# KiCad board Soldered Inkplate 6FLICK.kicad_pcb (continued)
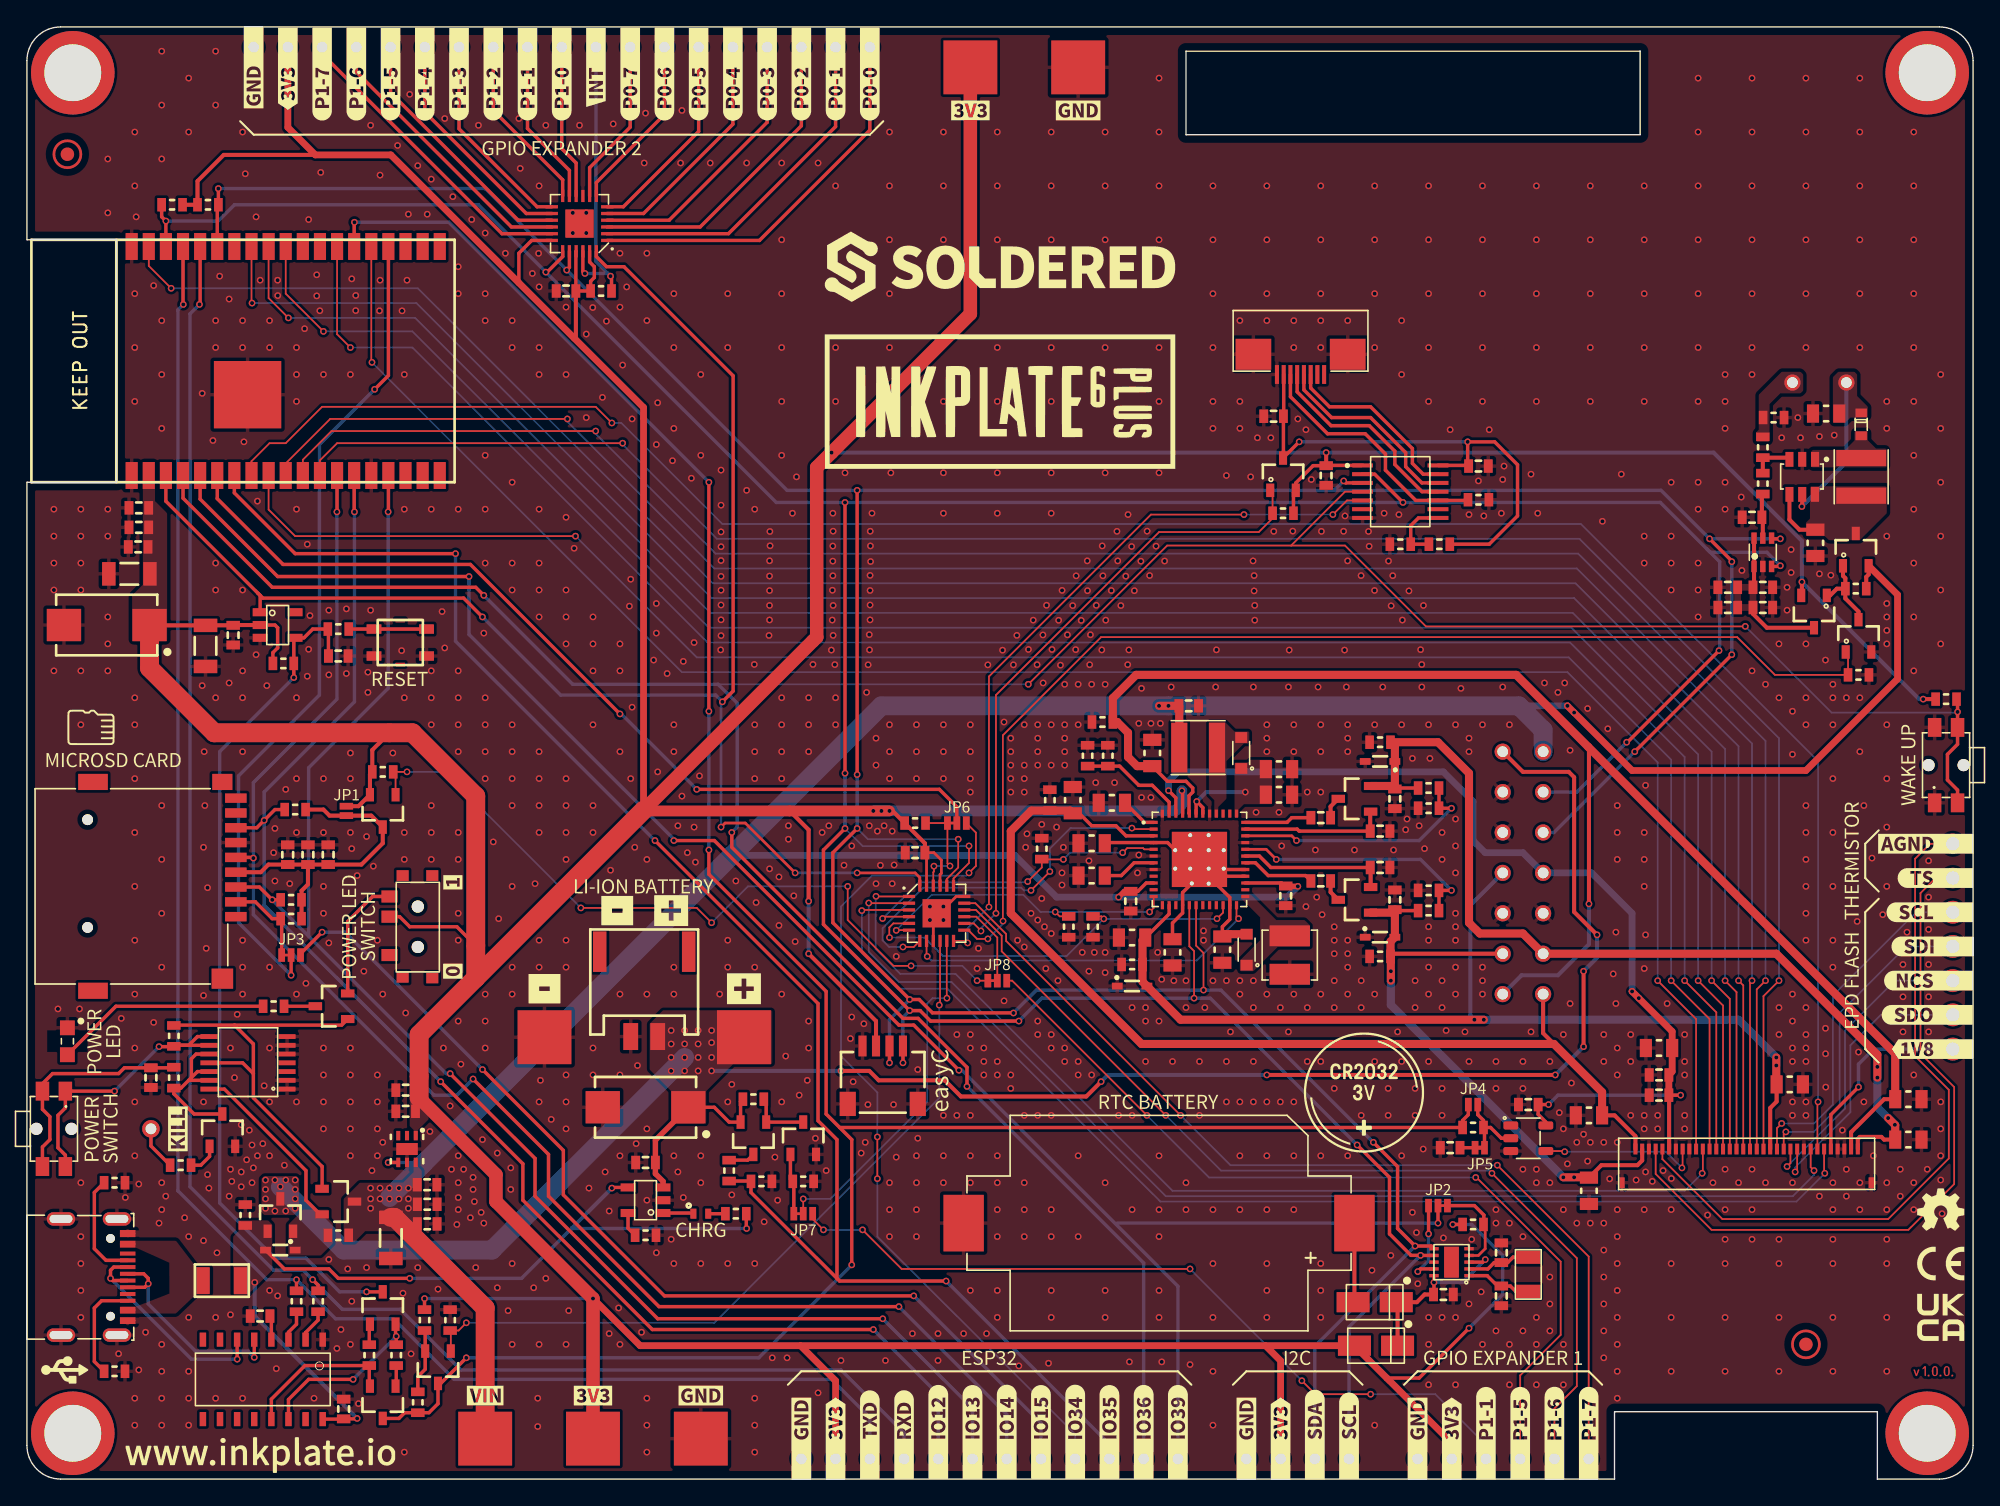
[diagram p0: board, top side]
## Routing (per net, layer and track width the routed paths; a pad name or vN(x,y) marks a point on that pad's centre or on a via; arc(x,y) is an arc through that point) (continued)
VBAT: length 145.4
  Top w0.254: R29.2 52.95,28.03 Q5.2 52.1,26.5 51,27.6 C24.1
  Top w0.3: v1(92,30) v1(113.4,30) ; v1(60.4,30.3) 62.5,30.3 63.2,29.6 68.1,29.6 69.3,28.4 78.6,28.4 v1(79.7,29.5) ; v1(115.5,37.7) v1(115.5,32.1) ; v1(116.5,40.4) 114.8,42.1 114.8,52.1 114.4,52.5 111,52.5 K1.8
  Top w0.4: C24.1 46.63,25.16 C25.2 46.63,22.67 47.2,22.1 U4.3
  Bottom w0.3: v1(92,30) 80.2,30 v1(79.7,29.5) ; v1(115.5,37.7) 116.5,38.7 v1(116.5,40.4) ; v1(113.4,30) v1(115.5,32.1) ; v1(50.8,30.3) v1(60.4,30.3)
  Bottom w1.4: v1(48.8,31.3) 34.5,17 23.5,17 v1(18.8,21.7)
  vias: v1(17.7,22.2) v1(17.7,21.5) v1(17.7,20.8) v1(17.7,20.1) v1(18.4,22.2) v1(18.4,19.9) v1(19.2,22.2) v1(19.2,19.9) v1(19.9,22.2) v1(19.9,21.5) v1(19.9,20.8) v1(19.9,20.1) v1(47.8,33.3) v1(47.8,32.3) v1(47.8,31.3) v1(47.8,30.3) v1(48.8,33.3) v1(48.8,32.3) v1(48.8,30.3) v1(49.8,33.3) v1(49.8,32.3) v1(49.8,31.3) v1(49.8,30.3) v1(50.8,33.3) v1(50.8,32.4) v1(50.8,31.3)
VDDH: length 71.5
  Top w0.254: C14.2 101.57,51.3 R13.2
  Top w0.3: C55.2 137.8,25.2 137.6,25.4 136,25.4 135.85,25.25 K14.34
  Top w0.6: v1(138.1,26.8) 138.62,26.28 C55.2 ; v1(137.3,29.8) 137.3,31.5 129.8,39 K1.2 111,40.5 107.8,40.5 107,41.3 107,52.4 104.7,54.7 R10.2 101.5,54.38 D2.2 C14.2 101.28,51.45 D7.2
  Bottom w0.6: v1(138.6,26.3) 137.3,27.6 v1(137.3,30.6)
VEE: length 46.1
  Top w0.254: C15.2 101.57,42.2 R15.2
  Top w0.3: K14.2 119.85,23.65 119.5,23.3 116.82,23.3 C52.2 115.88,22.4 ; K1.13 101.38,39 R12.2
  Top w0.6: D6.1 101.28,42.05 C15.2 D5.1 101.18,39.9 R12.2 101.2,38.78 v1(101.2,37) ; v1(114,22.4) 115.88,22.4
  Bottom w0.6: v1(114.8,22.4) v1(114,22.4) 101.2,35.2 v1(101.2,37) v1(101.2,37.7)
VIN: length 225.9
  Top w0.254: U6.4 26.81,23.5 v1(26.8,23.5) ; U1.10 83.05,44.25 82.43,43.63 C5.2 ; 93.3,44.03 93.08,44.25 U1.27
  Top w0.3: R54.2 136.47,66.97 136.65,67.15 Q14.2
  Top w0.4: v1(81,43.2) 81.43,43.63 C5.2 ; v1(94.3,44) 93.33,44 93.3,44.03
  Top w0.5: v1(114.3,57.4) 119.1,52.6 132,52.6 138.8,59.4 138.8,65.65 Q14.2
  Top w0.6: v1(84,57.4) C10.2 85.5,57.37 L2.1
  Top w1.4: PAD3.1 34,12.7 27.28,19.43 C27.2
  Bottom w0.254: 29.35,23.35 29.2,23.5 v1(26.8,23.5)
  Bottom w0.5: v1(114.8,56.9) v1(114.3,57.4) 110.7,57.4 ; v1(94.3,44) 93.5,43.2 v1(81,43.2) 76.4,43.2 73.3,46.3 52.3,46.3
  Bottom w1: 26.9,20.9 v1(26.9,20.8)
  Bottom w1.4: K1.7 112.5,55.6 110.7,57.4 v1(84.7,57.4) 63.4,57.4 26.9,20.9
  vias: v1(25.5,21.6) v1(25.5,20.8) v1(25.5,20.1) v1(26.2,21.6) v1(26.2,20.8) v1(26.9,21.6) v1(27.6,21.6) v1(27.6,20.8) v1(28.3,21.6) v1(28.3,20.8) v1(28.3,20.1)
VIN_BCK: length 4.1
  Top w0.3: C49.2 131.53,70.47 130.78,71.22 U10.4
/CTRL & COMS/CH_RXD: length 2.3
  Top w0.254: R23.1 20,11.5 19.41,10.91 U3.3
/CTRL & COMS/CH_TXD: length 2.5
  Top w0.254: R24.1 21.6,11.8 20.67,10.88 U3.2
/CTRL & COMS/DTR: length 11.3
  Top w0.254: Q3.2 25.4,6.95 R26.2 20.62,8.43 18.14,5.94 U3.13
/CTRL & COMS/RTS: length 12.9
  Top w0.254: v1(24.2,7.4) 20.9,7.4 19.41,5.91 U3.14 ; R27.2 v1(27.4,10.6) 27.35,10.65 Q2.2
  Bottom w0.254: v1(24.2,7.4) v1(27.4,10.6)
/E-paper/DAC_OUT: length 3.3
  Top w0.3: R52.2 128.73,73.06 C45.2 128.8,71.33 U9.5
/MCU & GPIO Expanders/GPB_6: length 72.4
  Top w0.127: v1(84.5,27) 72.33,39.17 72.33,40.34 70.41,42.25 U13.16 ; v1(108.7,22.7) 115,16.4 115,6.9 113.34,5.24 K21.1
  Bottom w0.127: v1(84.5,27) 88.6,22.9 108.5,22.9 v1(108.7,22.7)
/MCU & GPIO Expanders/GPB_7: length 72.5
  Top w0.127: v1(109.1,23.3) 115.88,16.52 K22.1 ; U13.17 70.37,42.75 72.65,40.47 72.65,39.95 v1(85.6,27)
  Bottom w0.127: v1(85.6,27) 89.3,23.3 v1(109.1,23.3)
/POWER/INT_LDO: length 4
  Top w0.254: U1.7 82.15,45.75 81.2,44.8 C4.2
/POWER/TS: length 8
  Top w0.254: R2.2 R3.2 81.07,52.92 82.5,51.5 83.5,51.5 84.75,50.25 U1.47
/POWER/VB: length 5.9
  Top w0.254: U1.42 87.25,49.85 v1(86.8,50.3) 86.75,50.25 U1.43
  Bottom w0.3: v1(90.4,51) 87.5,51 v1(86.8,50.3)
/POWER/VN: length 21.8
  Top w0.254: C3.2 80.03,47.25 U1.4 84.63,47.25 U1.49 ; U1.28 88.25,44.75 U1.49 ; U1.49 88.22,44.2 89.25,43.17 U1.23 89.25,41.55 88.7,41 88.7,40.28 ; 85,40.08 85,41.28 85.75,42.03 U1.16 85.75,43.54 U1.49 ; U1.49 88.87,45.25 U1.29
  Top w0.6: D1.2 88.88,40.45 88.7,40.28
/POWER/VREF: length 2.7
  Top w0.254: C1.2 82.93,48.75 U1.1
/SD_RTC_GPIO/CLKOUT_RTC: length 6.5
  Top w0.254: v1(103.2,15.4) 103.4,15.6 U7.9 ; v1(104,18.2) JP2.3
  Bottom w0.254: v1(103.2,15.4) 104,16.2 v1(104,18.2)
/SD_RTC_GPIO/X1: length 4.9
  Top w0.254: X1.1 110.47,13.93 110.07,14.33 C34.2 109.12,14.33 108.35,15.1 U7.1
/SD_RTC_GPIO/X2: length 4.8
  Top w0.254: U7.2 108.4,15.6 108.87,16.07 C35.2 109.87,16.07 110.28,16.47 X1.2
BCK_ANODE: length 11.5
  Top w0.3: U10.5 131.72,72.22 v1(131.7,72.2)
  Bottom w0.3: v1(131.7,72.2) 135,75.5 TP2.1
BCK_MOS: length 6.1
  Top w0.3: R54.1 134.93,66.88 134.75,67.05 Q14.1 ; R54.1 134.3,66.1 133.8,65.6 Q12.1 ; R54.1 134.93,65.38 135.9,64.4 Q13.3
D+: length 16
  Top w0.254: K2.A6 8.66,15.24 9,14.9 v1(9,14.5) 8.74,14.24 K2.B6 ; U3.5 v1(16.86,9.03)
  Bottom w0.254: v1(16.86,9.03) 16.4,9.5 12.5,9.5 9,13 v1(9,14.5)
D-: length 16.7
  Top w0.254: K2.A7 6.36,14.74 v1(6.2,14.9) 6.2,15.5 6.44,15.74 K2.B7 ; U3.6 15.59,8.91 v1(15.6,8.9)
  Bottom w0.254: v1(6.2,14.9) 12.2,8.9 v1(15.6,8.9)
EPD_CKV: length 158.7
  Top w0.127: v1(132.9,28) 132.85,27.95 K14.28 ; U14.8 16.66,75.56 18,76.9 19.2,76.9 21.9,79.6 42.2,79.6 v1(43.4,78.4)
  Bottom w0.127: v1(43.4,78.4) 44.1,78.4 51.6,70.9 115.3,70.9 132.9,53.3 v1(132.9,28)
EPD_CL: length 12
  Top w0.127: v1(114.1,24.3) 114.05,24.35 U12.4 ; v1(122.8,23.1) 122.85,23.15 K14.8
  Bottom w0.127: v1(122.8,23.1) 121.6,24.3 v1(114.1,24.3)
EPD_D0: length 149.6
  Top w0.127: K14.13 125.35,34.65 v1(123,37) ; U14.26 23.01,84.99 v1(24,84)
  Bottom w0.127: v1(123,37) 123,53.6 114.5,62.1 50.5,62.1 28.6,84 v1(24,84)
EPD_D1: length 152.5
  Top w0.127: K14.14 125.85,35.15 v1(124,37) ; U14.29 19.2,88 v1(22,85.2)
  Bottom w0.127: v1(124,37) 124,53.8 114.6,63.2 50.6,63.2 28.6,85.2 v1(22,85.2)
EPD_D2: length 154.9
  Top w0.127: U14.30 17.93,87.67 v1(19.4,86.2) ; v1(125,37) 126.35,35.65 K14.15
  Bottom w0.127: v1(19.4,86.2) 28.8,86.2 50.7,64.3 114.7,64.3 125,54 v1(125,37)
EPD_D3: length 157.3
  Top w0.127: v1(16.7,87.3) 16.66,87.34 U14.31 ; v1(126,37) 126.85,36.15 K14.16
  Bottom w0.127: v1(126,37) 126,54.2 114.8,65.4 50.8,65.4 28.9,87.3 v1(16.7,87.3)
EPD_D4: length 164.2
  Top w0.127: v1(127,37) 127.35,36.65 K14.17 ; U14.37 9.04,90.06 v1(10.7,88.4)
  Bottom w0.127: v1(127,37) 127,54.4 114.9,66.5 50.9,66.5 29,88.4 v1(10.7,88.4)
EPD_D5: length 151.3
  Top w0.127: U14.10 19.2,75.4 22.5,78.7 v1(40.1,78.7) ; K14.18 127.85,36.85 v1(128,37)
  Bottom w0.127: v1(40.1,78.7) 40.1,78.5 51,67.6 115,67.6 128,54.6 v1(128,37)
EPD_D6: length 150.8
  Top w0.127: v1(42.2,77.8) 22.6,77.8 20.47,75.67 U14.11 ; v1(129,37) 128.35,36.35 K14.19
  Bottom w0.127: v1(42.2,77.8) 42.2,77.6 51.1,68.7 115.1,68.7 129,54.8 v1(129,37)
EPD_D7: length 150
  Top w0.127: v1(44.2,76.9) 23.01,76.9 21.74,75.63 U14.12 ; K14.20 128.85,35.85 v1(130,37)
  Bottom w0.127: v1(44.2,76.9) 44.2,76.8 51.2,69.8 115.2,69.8 130,55 v1(130,37)
EPD_GMODE: length 87
  Top w0.127: v1(132.6,22.9) 132.35,23.15 K14.27 ; v1(62.46,42.76) 62.47,42.75 U13.2
  Bottom w0.127: v1(132.6,22.9) 132.6,22.57 131.03,21 84.5,21 68.6,36.9 64.7,36.9 62.46,39.14 v1(62.46,42.76)
EPD_LE: length 146.2
  Top w0.127: K14.10 123.85,34.15 v1(121,37) ; v1(25.6,82.9) 25.55,82.95 U14.24
  Bottom w0.127: v1(25.6,82.9) 48.6,59.9 114.3,59.9 121,53.2 v1(121,37)
EPD_OE: length 77.5
  Top w0.127: v1(63,43.26) 63.01,43.25 U13.1 ; K14.11 124.35,22.75 v1(124.3,22.7)
  Bottom w0.127: v1(124.3,22.7) 123,21.4 85,21.4 68.9,37.5 64.8,37.5 62.97,39.33 62.97,43.24 v1(63,43.26)
EPD_SPH: length 144.4
  Top w0.127: v1(122,37) 124.85,34.15 K14.12 ; U14.9 17.93,71.97 19.9,70 v1(40.7,70)
  Bottom w0.127: v1(122,37) 122,53.4 114.4,61 49.7,61 v1(40.7,70)
EPD_SPV: length 88.5
  Top w0.127: U13.3 62,42.25 v1(61.95,42.2) ; v1(133.4,22.7) 133.35,22.75 K14.29
  Bottom w0.127: v1(133.4,22.7) 131.3,20.6 84.1,20.6 68.3,36.4 64.6,36.4 61.95,39.05 v1(61.95,42.2)
GPB3: length 86.3
  Top w0.127: v1(72.42,41.42) 72.41,41.44 72.41,55.21 79.7,62.5 126.9,62.5 129.7,59.7 R53.2 135.12,61.22 Q13.1 ; v1(71.3,40.1) 70.5,40.1 69.85,40.75 U13.13
  Bottom w0.127: v1(72.42,41.42) 72.42,41.22 v1(71.3,40.1)
GPB4: length 47.6
  Top w0.127: v1(70.79,40.69) 70.79,40.71 70.25,41.25 U13.14 ; Q11.1 92.43,73.22 R46.2 92.43,71.33 91.4,70.3 84,70.3 71.9,58.2 v1(71.9,42)
  Bottom w0.127: v1(70.79,40.69) 70.79,40.89 v1(71.9,42)
GPIO15: length 75.4
  Top w0.254: v1(21.9,40.6) 20.3,39 JP3.3 ; v1(33.8,30.4) 39.8,24.4 39.8,21.1 47.3,13.6 v1(65.8,13.6)
  Bottom w0.254: v1(21.9,40.6) 23.6,40.6 v1(33.8,30.4) ; K38.1 75.24,4.16 v1(65.8,13.6)
GPIO_0: length 187.1
  Top w0.254: 60.3,26.1 R55.1 106.53,26.62 106.95,27.05 JP4.1 ; 60.3,26.1 59.3,27.1 59.3,36.2 50.6,44.9 v1(50.6,46.7) ; 60.3,26.1 61.2,25.2 v1(61.2,15.9) ; U14.25 24.28,93.28 v1(24.3,93.3) ; v1(50.6,74) v1(50.6,57) ; Q3.3 27.6,4.5 28.03,4.93 R21.1 29.83,4.93 30.5,5.6 Q1.3 30.7,7.1 v1(32.6,9)
  Bottom w0.254: v1(50.6,57) v1(50.6,46.7) ; v1(24.3,93.3) 31.3,93.3 v1(50.6,74) ; v1(61.2,15.9) 54.3,9 v1(32.6,9)
GPIO_0_MOSFET: length 56.7
  Top w0.127: v1(67.69,35.19) 67.75,35.24 U13.10 ; Q1.1 31.45,10.97 R19.2 32.03,11.03 v1(32.6,11.6)
  Bottom w0.127: v1(32.6,11.6) 51,11.6 67.7,28.3 67.7,35.18 v1(67.69,35.19)
GPIO_36: length 235.6
  Top w0.127: v1(127.5,63.3) 103.8,63.3 97.8,69.3 93.8,69.3 ; U8.4 97.8,73.3 93.8,69.3 ; 93.8,69.3 84.6,69.3 v1(74.3,59)
  Top w0.254: v1(52.3,48) 52.3,46.9 65,34.2 66.12,34.2 69.75,30.57 v1(69.75,29.15) ; U14.4 11.58,72.82 18.2,66.2 33.3,66.2 v1(33.9,65.6) ; SW3.2 143.25,51.15 142.5,51.9 142.5,53.8 143.25,54.55 SW3.2 v1(143.25,56.95) 143.25,57.83 R41.1
  Bottom w0.127: v1(143.25,56.95) 143.2,56.9 133.9,56.9 v1(127.5,63.3) ; 51.39,58.89 51.39,58.91 ; v1(74.3,59) 51.1,59
  Bottom w0.254: v1(52.3,48) 52.7,48.4 52.7,57.6 52.18,58.12 52.16,58.12 51.28,59 40.5,59 v1(33.9,65.6) ; K37.1 82.86,16.04 v1(69.75,29.15)
GPIO_39: length 139
  Top w0.254: v1(48,47.4) 51,47.4 64.7,33.7 65.8,33.7 v1(69.15,30.35) ; U14.5 12.85,72.75 18.6,67 v1(32.8,67) ; JP2.2 v1(104.7,19)
  Bottom w0.254: v1(32.8,67) 32.8,62.7 48,47.5 v1(48,47.4) ; K36.1 85.4,14.32 69.37,30.35 v1(69.15,30.35) ; v1(104.7,19) 80.9,19
I2C_SCL: length 300.8
  Top w0.127: v1(86.6,35.7) 86.6,39.2 86.25,39.55 U1.17 ; U13.19 68.75,44.59 69.9,45.74 v1(69.9,47)
  Top w0.254: v1(125.55,61.5) 118.75,54.7 v1(118.7,54.7) ; v1(73.6,34) 67.05,34 66.27,34.78 v1(65.5,34.78) 59.1,41.18 59.1,46.7 v1(60.7,48.3) ; v1(38.5,89.6) 38.6,89.6 39.75,90.75 U15.19 ; U9.3 130.05,67.75 v1(130.1,67.8) ; U14.36 v1(10.31,93.39) 9.99,93.7 R1.1 ; v1(65,30.9) K3.1 ; v1(60.7,52.4) v1(60.7,72.5) ; v1(102.1,72.5) 100,74.6 U8.2 ; U7.7 103.42,16.6 v1(103.41,16.61) 102.69,16.61 101.1,18.2 101.1,22.4 v1(98.7,24.8)
  Bottom w0.127: v1(69.9,47) 69.89,46.99 62.01,46.99 v1(60.7,48.3)
  Bottom w0.254: K6.1 98.1,11.3 v1(103.41,16.61) ; v1(10.31,93.39) 14.19,93.39 15.4,94.6 33.5,94.6 55.6,72.5 v1(60.7,72.5) 121.2,72.5 124.65,69.05 ; v1(65.5,34.78) 65,34.28 v1(65,30.9) ; 124.65,69.05 125.6,68.1 125.6,61.55 v1(125.55,61.5) ; 124.65,69.05 124.9,68.8 129.1,68.8 v1(130.1,67.8) ; v1(118.7,54.7) 115,51 K1.6 ; v1(98.7,24.8) 87.8,35.7 v1(86.6,35.7) 75.3,35.7 v1(73.6,34) ; v1(60.7,48.3) v1(60.7,52.4)
I2C_SCL_B: length 13.7
  Top w0.254: U8.13 103.6,74.6 102.8,75.4 102.8,76.5 99.7,79.6 96.65,79.6 95.25,81 K12.3
I2C_SDA: length 299.6
  Top w0.127: v1(87.3,36.3) 87.3,39.05 86.75,39.6 U1.18 ; U13.20 68.25,44.55 69.1,45.4 v1(69.1,47.5)
  Top w0.254: v1(61.6,52.3) v1(61.6,73.4) ; v1(61.6,48.3) 59.8,46.5 59.8,41.3 v1(65.5,35.6) 66.2,35.6 67.19,34.61 73.19,34.61 v1(73.2,34.6) ; v1(40.05,89.75) 40.25,89.95 U15.20 ; v1(64,30.9) K3.2 ; U14.33 14.12,94.52 14.2,94.6 14.2,95.8 v1(14.2,95.8) ; U9.4 129.5,69.8 v1(130.1,69.8) ; U7.6 104.2,17.3 v1(103,17.3) 101.7,18.6 101.7,23.2 v1(99.9,25) ; U8.3 97.85,73.95 v1(97.7,74.1) ; v1(124.85,69.8) 126.5,68.15 v1(126.5,68.1) ; v1(119.3,54) v1(126.5,61.2)
  Bottom w0.127: v1(61.6,48.3) 62.4,47.5 v1(69.1,47.5)
  Bottom w0.254: v1(99.9,25) 99.89,25 88.59,36.3 v1(87.3,36.3) 74.9,36.3 v1(73.2,34.6) ; v1(65.5,35.6) 64,34.1 v1(64,30.9) ; 97,73.4 121.25,73.4 v1(124.85,69.8) v1(130.1,69.8) ; 97,73.4 56.4,73.4 v1(40.05,89.75) 34,95.8 v1(14.2,95.8) ; 97,73.4 v1(97.7,74.1) ; v1(103,17.3) 95.56,9.86 K7.1 ; v1(126.5,68.1) v1(126.5,61.2) ; v1(119.3,54) 113.3,48 K1.5 ; v1(61.6,48.3) v1(61.6,52.3)
I2C_SDA_B: length 14.6
  Top w0.254: K12.4 94.75,80.86 96.81,78.8 99.7,78.8 102.3,76.2 102.3,75.16 103.51,73.95 U8.12
INT: length 28.4
  Top w0.127: v1(74.5,43.7) v1(75.9,45.1) ; v1(81.99,48.33) 82.06,48.25 U1.2 ; U13.7 65.8,39.5 v1(65,39.5)
  Bottom w0.127: v1(65,39.5) 63.97,39.5 63.49,39.99 63.49,40.89 66.5,43.9 73.77,43.9 73.97,43.7 v1(74.5,43.7) ; v1(75.9,45.1) 75.9,46.8 77.43,48.33 v1(81.99,48.33)
INTB: length 7.6
  Top w0.127: R56.2 JP6.1 68.3,45.7 v1(68.49,45.51) ; U13.22 67.25,45.05 67.3,45.1 v1(67.3,45.5)
  Bottom w0.127: v1(68.49,45.51) 67.31,45.51 v1(67.3,45.5)
IO34: length 67.3
  Top w0.254: v1(49.7,51.2) 67.7,51.2 69,49.9 JP6.2 ; U14.6 14.12,72.78 19,67.9 32.9,67.9 v1(44,56.8)
  Bottom w0.254: v1(49.7,51.2) 44.1,56.8 v1(44,56.8)
MANUAL_RST: length 63.8
  Top w0.254: C26.2 22.37,63.06 R33.2 21.2,63.1 20.55,62.45 U2.4 19.8,62.35 R22.1 v1(19.8,59.5) ; Q2.3 v1(25.2,13.9)
  Bottom w0.254: v1(25.2,13.9) 23.2,13.9 20.7,16.4 18.4,16.4 14.3,20.5 14.3,54 v1(19.8,59.5)
PWR_GOOD: length 26.7
  Top w0.127: U13.8 66.75,38.85 v1(66.8,38.8) ; v1(89.9,41.6) 89.75,41.75 U1.24
  Bottom w0.127: v1(89.9,41.6) 86.8,38.5 67.1,38.5 v1(66.8,38.8)
PWRUP: length 30.4
  Top w0.127: v1(88.3,41.6) 88.75,42.05 U1.22 ; v1(64,40.2) 63.99,40.21 63.99,40.95 64.29,41.25 U13.5 ; v1(79.9,41.59) 79.71,41.78 R7.1
  Bottom w0.127: v1(88.3,41.6) 88.29,41.59 v1(79.9,41.59) 77.14,38.83 67.97,38.83 66.6,40.2 v1(64,40.2)
RST: length 116.1
  Top w0.2: U13.24 66.25,44.65 65.9,45 v1(61.6,45) ; v1(51.5,48.4) 51.8,48.7 53.3,48.7 v1(57,45)
  Top w0.254: U14.3 10.31,72.59 17.15,65.75 ; 17.15,65.75 17.5,65.4 32.4,65.4 v1(33.8,64) ; 17.15,65.75 17.3,65.6 U2.1 ; v1(51.6,57.7) 52.4,58.5 52.4,81.9 44.3,90 43,90 42.25,90.75 U15.24
  Bottom w0.2: 51.5,57.6 v1(51.5,48.4) ; v1(57,45) v1(61.6,45)
  Bottom w0.254: v1(33.8,64) 39.6,58.2 51.1,58.2 v1(51.6,57.7) 51.5,57.6
RXD: length 133.6
  Top w0.254: U14.34 12.85,87.25 v1(12.8,87.2) ; R24.2 21.6,14.4 v1(21.2,14.8)
  Bottom w0.254: K20.1 65.08,3.42 60.4,8.1 32.2,8.1 27.7,12.6 23.4,12.6 v1(21.2,14.8) 20.5,15.5 18.3,15.5 12.1,21.7 12.1,86.5 v1(12.8,87.2)
SD_ENABLE: length 56
  Top w0.127: v1(41.1,42.4) 49.7,42.4 v1(50.8,41.3) ; Q10.1 27.35,52.33 R40.2 v1(28.2,52.5) ; v1(70.5,37) JP8.1 ; v1(65.6,38.1) 64.3,38.1 60.9,41.5 v1(60.9,44)
  Bottom w0.127: v1(70.5,37) 69.4,38.1 v1(65.6,38.1) ; v1(28.2,52.5) 31,52.5 v1(41.1,42.4) ; v1(60.9,44) 53.5,44 v1(50.8,41.3)
SPI_CS: length 61.8
  Top w0.254: v1(25.8,80.9) 26.82,81.92 U14.23 ; JP3.2 v1(19.6,37.4)
  Bottom w0.254: v1(19.6,37.4) 15.7,41.3 15.7,52.2 21.7,58.2 21.7,76.8 v1(25.8,80.9)
SPI_MISO: length 110.3
  Top w0.254: U14.14 24.28,71.82 v1(24.3,71.8) ; v1(30.7,29.5) 36.8,23.4 36.8,20.7 46.4,11.1 v1(62.8,11.1) ; R45.1 18.4,49.7 17.05,48.35 K10.7
  Bottom w0.254: v1(30.7,29.5) 17.6,42.6 v1(17.6,48.9) 17.6,51 24.3,57.7 v1(24.3,71.8) ; K26.1 67.62,6.28 v1(62.8,11.1)
SPI_MOSI: length 113.4
  Top w0.254: v1(26.8,71.8) 26.82,71.82 U14.16 ; R44.1 v1(18.2,43) 17.25,43.95 K10.3 ; v1(31.4,30.1) 37.7,23.8 37.7,21 46.8,11.9 v1(63.5,11.9)
  Bottom w0.254: v1(31.4,30.1) 31.1,30.1 v1(18.2,43) ; 20.9,40.3 20.9,52.8 26.8,58.7 v1(26.8,71.8) ; K27.1 70.16,5.24 v1(63.5,11.9)
SPI_SCK: length 113.9
  Top w0.254: U14.13 23.01,71.81 v1(23,71.8) ; v1(16.8,46.1) 16.75,46.15 K10.5 ; v1(33.1,29.7) 38.7,24.1 38.7,21 46.9,12.8 v1(64.7,12.8)
  Bottom w0.254: v1(64.7,12.8) 72.7,4.8 K25.1 ; v1(23,71.8) 23,57.9 16.8,51.7 v1(16.8,46.1) 16.8,41.9 30.2,28.5 31.9,28.5 v1(33.1,29.7)
SW_IN: length 13.5
  Top w0.254: U5.14 14.65,28.95 20.7,22.9 20.7,20.7 21.75,19.65 Q9.2
SW_OUT_D: length 31.6
  Top w0.254: 16.8,30.1 16,30.9 U5.11 ; 16.8,30.1 16.8,28.3 21.9,23.2 Q9.1 ; 16.8,30.1 16.8,32.3 15.4,33.7 ; 15.4,33.7 23.35,33.7 Q6.1 ; 15.4,33.7 10.92,33.7 R38.2
TOUCH_INT_B: length 15.4
  Top w0.254: U8.11 103.52,73.3 101.5,75.32 101.5,76.3 99.6,78.2 96.76,78.2 94.25,80.71 K12.5
TOUCH_RESET: length 54.7
  Top w0.127: v1(96.9,71.6) 97.95,72.65 U8.5 ; v1(90.3,71.6) 83.4,71.6 71.38,59.58 v1(71.38,42.47) ; v1(69.8,39.8) 69.65,39.95 U13.12
  Bottom w0.127: v1(71.38,42.47) 69.8,40.89 v1(69.8,39.8) ; v1(90.3,71.6) v1(96.9,71.6)
TOUCH_RESET_B: length 18.7
  Top w0.254: R49.1 106.88,72.65 U8.10 103.05,72.65 100.8,74.9 100.8,76.1 99.3,77.6 96.5,77.6 93.75,80.35 K12.6
TS: length 52.6
  Top w0.127: K14.4 120.85,22.65 125,18.5 139.6,18.5 143,21.9 143,29.1 140.5,31.6 140.5,43.5 141.62,44.62 K52.2
TXD: length 132.5
  Top w0.254: v1(11.6,87.2) 11.58,87.22 U14.35 ; R23.2 v1(20,14.8)
  Bottom w0.254: K19.1 62.54,4.56 59.7,7.4 31.7,7.4 27.2,11.9 22.9,11.9 v1(20,14.8) 17.8,14.8 11.2,21.4 11.2,86.8 v1(11.6,87.2)
V_BAT: length 123
  Top w0.254: v1(31.8,68.7) 19.9,68.7 15.39,73.21 U14.7 ; 60.15,14.85 53.72,21.28 R31.2 53.7,22.12 R30.1 ; 60.15,14.85 60.3,14.7 v1(68.2,14.7) ; 60.15,14.85 60.1,14.9 60.1,25.2 58.7,26.6 58.7,35.3 v1(46.6,47.4)
  Bottom w0.254: v1(31.8,68.7) 31.8,62.2 v1(46.6,47.4) ; v1(68.2,14.7) 80.32,2.58 K18.1
V_BAT_MOS: length 4.5
  Top w0.254: Q4.1 56.65,22.28 R25.2 56.9,22.03 JP7.1
VCOM: length 76.2
  Top w0.254: U1.14 84.75,41.95 83,40.2 C6.2
  Top w0.3: K14.21 129.35,27.55 129.82,28.03 129.82,29.3
  Top w0.6: 129.82,29.3 129.8,29.32 v1(129.8,31.3) ; C6.2 82.78,40 R11.2 82.78,36.92 D4.1 85.6,34.1 v1(108.1,34.1)
  Bottom w0.3: v1(107.4,34.1) 107.1,34.4 107.1,42.6 K1.11
  Bottom w0.6: v1(107.4,34.1) 127,34.1 v1(129.8,31.3) v1(129.8,30.7)
VCOM_CTRL: length 23.8
  Top w0.127: R6.1 76.62,41.78 v1(76.3,42.1) ; v1(83.3,42.1) 83.6,42.4 U1.12 ; v1(64.5,40.74) 64.51,40.75 U13.6
  Bottom w0.127: v1(83.3,42.1) v1(76.3,42.1) 75.2,42.1 73.93,43.37 67.14,43.37 v1(64.5,40.74)
VNEG: length 77.3
  Top w0.254: 77.6,49.42 78.07,49.42 79,48.5 80.8,48.5 81.55,47.75 U1.3
  Top w0.3: K1.1 112.5,33.1 113.3,32.3 ; K14.1 119.35,25.45 117.8,27 C51.2
  Top w0.6: 77.6,49.42 77.4,49.62 R8.1 74.53,49.62 73,48.1 73,42 82.7,32.3 113.3,32.3 116.88,28.72 C51.2
VPOS: length 114.7
  Top w0.254: 83.5,52.92 84.62,51.8 86,51.8 86.5,51.3 86.5,51 86.22,50.72 86.22,49.43 U1.44
  Top w0.3: C54.2 137.8,28.2 135.35,25.75 K14.33 ; v1(115.9,42.7) 115.9,54.3
  Top w0.6: 83.5,52.92 82.38,52.92 81.7,53.6 81.7,55.4 80.9,56.2 R9.1 80.57,57.97 82.3,59.7 110.5,59.7 138.62,31.57 C54.2
  Bottom w0.3: K1.14 110.9,37.4 113.6,37.4 115.9,39.7 v1(115.9,42.7)
VUSB: length 60.5
  Top w0.254: v1(28.4,14.9) 23.1,14.9 22.4,15.6 19.1,15.6 D10.1 ; U3.16 23.48,4.45 C20.2 24.47,4.47 v1(24.5,4.5) ; v1(53.4,18.6) 53.38,18.62 R28.1 ; v1(43.4,21.6) 43.45,21.65 U4.4
  Bottom w0.254: v1(53.4,18.6) 40.5,18.6 40.45,18.65 36.7,14.9 v1(28.4,14.9)
  Bottom w0.3: v1(16.9,14.6) 16.9,12.1 v1(24.5,4.5) ; 40.45,18.65 v1(43.4,21.6)
WAKEUP: length 24.7
  Top w0.127: v1(63.49,41.61) 63.62,41.75 U13.4 ; v1(74.26,44.36) 75.3,45.4 R5.1 75.33,46 v1(76.9,46) ; U1.5 82.9,46.75 82.81,46.84 81.64,46.84 v1(81.3,46.5)
  Bottom w0.127: v1(74.26,44.36) 74.2,44.3 66.17,44.3 v1(63.49,41.61) ; v1(81.3,46.5) 77.4,46.5 v1(76.9,46)
Net-(C16-Pad1): length 1.6
  Top w0.3: D6.3 96.73,43.57 C16.1
Net-(C17-Pad2): length 1.6
  Top w0.3: D7.3 96.73,49.93 C17.2
Net-(C22-Pad2): length 1.8
  Top w0.254: C22.2 18.14,12 U3.4
Net-(C32-Pad2): length 16.9
  Top w0.254: 10.9,30.57 10.85,30.53 C32.2 7.23,30.53 6.8,30.1 1.9,30.1 1.15,29.35 SW2.2 1.15,27.45 1.7,26.9 1.7,25.2 1.15,24.65 SW2.2
Net-(C42-Pad1): length 9.1
  Top w0.3: C46.2 128.15,66.28 U9.1 U9.6 ; Q12.3 129.1,63.2 128.07,64.23 C43.1
Net-(C56-Pad2): length 1.1
  Top w0.254: JP5.1 C56.2
Net-(D8-Pad1): length 1.3
  Top w0.254: D8.1 R28.2
Net-(D8-Pad2): length 2.3
  Top w0.254: D8.2 49.4,19.75 U4.1
Net-(D9-Pad1): length 16
  Top w0.254: R35.2 6.6,35.1 D9.1
Net-(D12-Pad1): length 5.9
  Top w0.3: K11.+ 98.5,13.23 D12.1
Net-(JP2-Pad1): length 6.9
  Top w0.2: 108.1,19 108.2,18.9 108.2,17.1 107.7,16.6 U7.4
  Top w0.254: JP2.1 107.4,20.3 108.1,19.6 108.1,19
Net-(JP3-Pad1): length 6.6
  Top w0.254: JP3.1 18.9,41.53 R43.1 18.2,41.6 16.95,42.85 K10.2
Net-(JP4-Pad2): length 5.8
  Top w0.254: U12.2 109.4,25.3 108.6,26.1 R55.2 ; R55.2 108.15,26.03 JP5.2 ; R55.2 108.07,26.62 107.65,27.05 JP4.2
Net-(JP6-Pad3): length 62.9
  Top w0.127: v1(69.9,45) 70.41,45.51 70.41,47.99 JP6.3 ; v1(63.1,22.3) v1(63.1,25.4)
  Bottom w0.127: v1(63.1,22.3) 63.1,18 77.78,3.32 K15.1 ; v1(69.9,45) 69.7,44.8 62.7,44.8 60.4,42.5 60.4,31.4 63.1,28.7 v1(63.1,25.4)
Net-(JP7-Pad2): length 26.5
  Top w0.127: U13.11 68.25,35.71 v1(68.26,35.7) ; v1(57.6,20.8) JP7.2
  Bottom w0.127: v1(68.26,35.7) 67.2,35.7 66.8,35.3 66.8,28 59.6,20.8 v1(57.6,20.8)
Net-(JP7-Pad3): length 58.3
  Top w0.127: v1(94.6,7.3) 95.6,6.3 v1(99.7,6.3) ; v1(86.3,15.6) 64.9,15.6 v1(62,18.5) ; JP7.3 58.3,19.3 v1(59.1,18.5)
  Bottom w0.127: K23.1 108.26,2.54 104.5,6.3 v1(99.7,6.3) ; v1(94.6,7.3) v1(86.3,15.6) ; v1(62,18.5) v1(59.1,18.5)
Net-(JP8-Pad2): length 6.3
  Top w0.127: U13.15 70.45,41.75 72,40.2 JP8.2
Net-(JP8-Pad3): length 65.6
  Top w0.127: v1(83.1,27) 73.1,37 JP8.3 ; v1(107.5,22.39) 107.56,22.39 113.8,16.14 113.8,10.7 110.8,7.7 K24.1
  Bottom w0.127: v1(83.1,27) 87.71,22.39 v1(107.5,22.39)
Net-(K2-PadA5): length 8
  Top w0.254: R18.1 5,21.28 5,17.1 5.86,16.24 K2.A5
Net-(K2-PadB5): length 7.7
  Top w0.254: K2.B5 5.54,13.24 5,12.7 5,8.72 R17.1
Net-(K9-Pad1): length 3.3
  Top w0.254: K9.1 9.2,24.72 R37.2
Net-(K13-Pad1): length 14.6
  Top w0.254: v1(135.9,29.1) 133.85,27.05 K14.30
  Bottom w0.254: v1(135.9,29.1) 135.9,30.8 137.02,31.92 K13.1
Net-(K13-Pad2): length 21.4
  Top w0.127: K14.25 131.35,22.95 v1(131.2,22.8)
  Bottom w0.127: v1(131.2,22.8) 131.2,23.14 135.3,27.24 135.3,32.2 137.56,34.46 K13.2
Net-(K13-Pad3): length 22.8
  Top w0.127: v1(130.6,23.2) 130.85,23.45 K14.24
  Bottom w0.127: K13.3 138.6,37 134.9,33.3 134.9,27.5 v1(130.6,23.2)
Net-(K13-Pad4): length 23.5
  Top w0.127: v1(130.51,25.77) 130.35,25.61 K14.23
  Bottom w0.127: v1(130.51,25.77) 132.57,25.77 134.5,27.7 134.5,34.6 139.44,39.54 K13.4
Net-(K13-Pad5): length 26
  Top w0.127: v1(130.2,26.4) 129.85,26.05 K14.22
  Bottom w0.127: v1(130.2,26.4) 132.6,26.4 134,27.8 134,35.9 140.18,42.08 K13.5
Net-(K28-Pad1): length 29
  Top w0.254: K28.1 62.54,100.14 54.35,91.95 U15.1
Net-(K29-Pad1): length 26.1
  Top w0.254: U15.2 52.05,92.45 60,100.4 K29.1
Net-(K30-Pad1): length 23.4
  Top w0.254: U15.3 49.95,92.95 57.46,100.46 K30.1
Net-(K31-Pad1): length 20.5
  Top w0.254: U15.4 47.65,93.45 54.92,100.72 K31.1
Net-(K32-Pad1): length 17.8
  Top w0.254: U15.5 45.75,93.95 52.38,100.58 K32.1
Net-(K33-Pad1): length 15.4
  Top w0.254: U15.6 44.25,94.45 49.84,100.04 K33.1
Net-(K34-Pad1): length 13.1
  Top w0.254: K34.1 47.3,101.3 42.25,96.25 U15.7
Net-(K35-Pad1): length 12.3
  Top w0.254: K35.1 44.76,100.36 41.75,97.35 U15.8
Net-(K39-Pad1): length 11.5
  Top w0.254: K39.1 39.68,98.77 40.75,97.7 U15.10
Net-(K40-Pad1): length 12.3
  Top w0.254: U15.11 40.25,97.15 37.14,100.26 K40.1
Net-(K41-Pad1): length 13.2
  Top w0.254: K41.1 34.6,101.6 39.75,96.45 U15.12
Net-(K42-Pad1): length 15.3
  Top w0.254: K42.1 32.06,100.24 37.85,94.45 U15.13
Net-(K43-Pad1): length 17.4
  Top w0.254: U15.14 37.05,93.95 29.52,101.48 K43.1
Net-(K44-Pad1): length 19.3
  Top w0.254: K44.1 26.98,102.92 36.45,93.45 U15.15
Net-(K45-Pad1): length 21.1
  Top w0.254: U15.16 35.95,92.95 24.44,104.46 K45.1
Net-(K46-Pad1): length 23.1
  Top w0.254: K46.1 21.9,105.8 35.25,92.45 U15.17
Net-(K49-Pad1): length 22.3
  Top w0.254: v1(41.4,89.5) 41.25,89.65 U15.22 ; v1(43.3,89.3) 43.38,89.22 R57.2
  Bottom w0.254: v1(41.4,89.5) 43.1,89.5 v1(43.3,89.3) 42.22,90.38 K49.1
Net-(Q1-Pad2): length 4.8
  Top w0.254: R21.2 29,7.6 29.55,8.15 Q1.2 29.55,10.97 R20.1
Net-(Q2-Pad1): length 1.5
  Top w0.254: R26.1 25.4,11.45 Q2.1
Net-(Q3-Pad1): length 1.5
  Top w0.254: R27.1 27.4,6.95 Q3.1
Net-(Q4-Pad3): length 4.5
  Top w0.254: R29.1 54.85,28.03 Q5.1 Q4.3
Net-(Q5-Pad3): length 2
  Top w0.254: Q5.3 53.47,23.68 R30.2
Net-(Q6-Pad2): length 9.2
  Top w0.254: Q6.2 23.8,41.4 25.65,43.25 S1.3
Net-(Q6-Pad3): length 2.3
  Top w0.254: R35.1 Q6.3
Net-(Q8-Pad1): length 2.4
  Top w0.254: Q8.1 13.55,23.95 12.9,23.3 R37.1
Net-(Q8-Pad3): length 12.2
  Top w0.254: 12,29.6 11.42,29.03 R39.2 10.9,28.6 12.4,27.1 Q8.3 ; 12,29.6 12.15,29.75 ; 12,29.6 U5.13 ; 12.15,29.75 12.2,29.8 12.2,31.2 12.55,31.55 U5.10 ; 12.15,29.75 12.65,30.25 U5.12
Net-(R32-Pad1): length 1.9
  Top w0.254: R32.1 44.6,18.62 U4.5
Net-(R33-Pad1): length 5.8
  Top w0.254: R33.1 SW1.2 SW1.2
Net-(R38-Pad1): length 20.5
  Top w0.254: SW2.1 2.85,24.05 2.3,24.6 2.3,27 2.85,27.55 SW2.1 v1(6.5,28.8) ; v1(9.8,32.1) 10.88,32.1 R38.1 10.98,32.2 U5.9 ; 11.4,32.2 12,32.2 12.65,32.85 U5.8
  Bottom w0.254: v1(6.5,28.8) v1(9.8,32.1)
Net-(R47-Pad1): length 5
  Top w0.254: R47.1 R48.1 102.68,70.78 103.25,71.35 U8.8
Net-(R51-Pad2): length 3.2
  Top w0.3: U10.3 130.65,75.83 R51.2 R52.1

## Copper pours and planes (outline as drawn; the poured copper is in the pictures)
3V3 on Top: 9.5,72.6 10.4,71.7 10.4,62.2 7.8,62.2 7.8,65.6 8.6,66.4 8.6,75.5 9.5,75.5
3V3 on Top: 29.8,29.9 29.8,26.7 29,25.9 29,25.2 28.7,25.2 28.7,25.9 28.4,26.2 28.4,29.9 28.7,30.2 29.5,30.2
GND on Top, Bottom: 144.4,0 0,0 0,107.8 144.4,107.8
VBAT on Top: 55.3,30.8 52.4,30.8 50.4,28.8 50.4,26.4 47.8,26.4 47.8,28.8 46.2,30.4 46.2,33.8 47.2,34.8 55.3,34.8
VBAT on Top, Bottom: 20.2,22.3 20.2,19.8 20,19.6 17.6,19.6 17.4,19.8 17.4,22.3 17.6,22.5 20,22.5
VBAT on Bottom: 51.2,33.4 51.2,30.2 50.7,29.7 47.8,29.7 47.3,30.2 47.3,33.4 47.8,33.9 50.7,33.9
VIN on Top: 29,23.2 29.3,22.9 29.3,18.4 25.1,18.4 24.3,17.6 23.5,17.6 23.5,20.8 24.7,22 27.9,22 28.7,22.8 28.7,23.8 29,23.8
VIN on Bottom: 29.2,21.7 29.2,20 29,19.8 25.1,19.8 24.9,20 24.9,21.7 25.1,21.9 29,21.9
VIN_BCK on Top: 138,73.7 138,71.7 136,69.7 133.7,69.7 133.4,70 132,70 132,71 132.3,71.3 132.3,73.7
/POWER/VB on Top: 92.4,50.1 90.3,50.1 89.9,49.7 89.9,49.1 89.6,49.1 89.6,53.2 90.6,53.2 90.8,53.4 92.4,53.4
/POWER/VB_SW on Top: 89.6,55.5 90.7,55.5 90.7,54.6 90.3,54.6 89,53.3 89,50.5 88.4,49.9 88.4,49.1 88.1,49.1 88.1,50.4 87.7,50.8 87.7,56.2 88.9,56.2
/POWER/VN_SW on Top: 92.7,41.5 94.8,41.5 95.2,41.1 95.2,39.5 92.8,39.5 91,37.7 90,37.7 90,38.5 91.5,40 91.5,41.7 90.1,43.1 90.1,43.4 90.8,43.4
BCK_ANODE on Top: 135.8,82 135.8,80.4 136.6,79.6 136.6,78.8 135.3,78.8 134.9,78.4 134,78.4 134,81.8 134.4,82.2 135.6,82.2
BCK_CATHODE on Top: 131.8,82 131.8,80.8 131.6,80.6 130.1,80.6 129.3,79.8 129.3,77 128.3,77 128.3,77.7 128.5,77.9 128.5,80.5 130.2,82.2 131.6,82.2
SW_IN on Top: 22.4,19.3 22.7,19 22.7,17.5 21.8,16.6 19.4,16.6 19.4,18.9 20.5,20 22.4,20
VUSB on Top: 18.2,18.9 18.2,15.5 16.4,13.7 15.3,13.7 15.3,18 15.7,18.4 15.7,19.2 17.9,19.2
Net-(C42-Pad1) on Top: 128.4,64.2 126.6,64.2 126.6,66.7 128.4,66.7
Net-(D13-Pad1) on Top: 136.6,77.1 137.2,76.5 138,76.5 138,75.1 132.4,75.1 132.4,76.3 132.5,76.4 134.9,76.4 135.6,77.1 135.6,77.8 136.6,77.8
Net-(F1-Pad2) on Top: 11.06,17.69 12.56,15.73 13.56,15.73 13.56,13.73 12.56,13.73 11.05,12.29 6.9,12.29 6.9,12.79 8.05,12.79 10.57,13.77 10.56,16.06 8.05,17.19 6.9,17.19 6.9,17.69

## Text on the board
CUT-OUT: CUTOUT
